# KiCad board SparkFun_RTK_Facet_mosaic_panelized.kicad_pcb (continued)
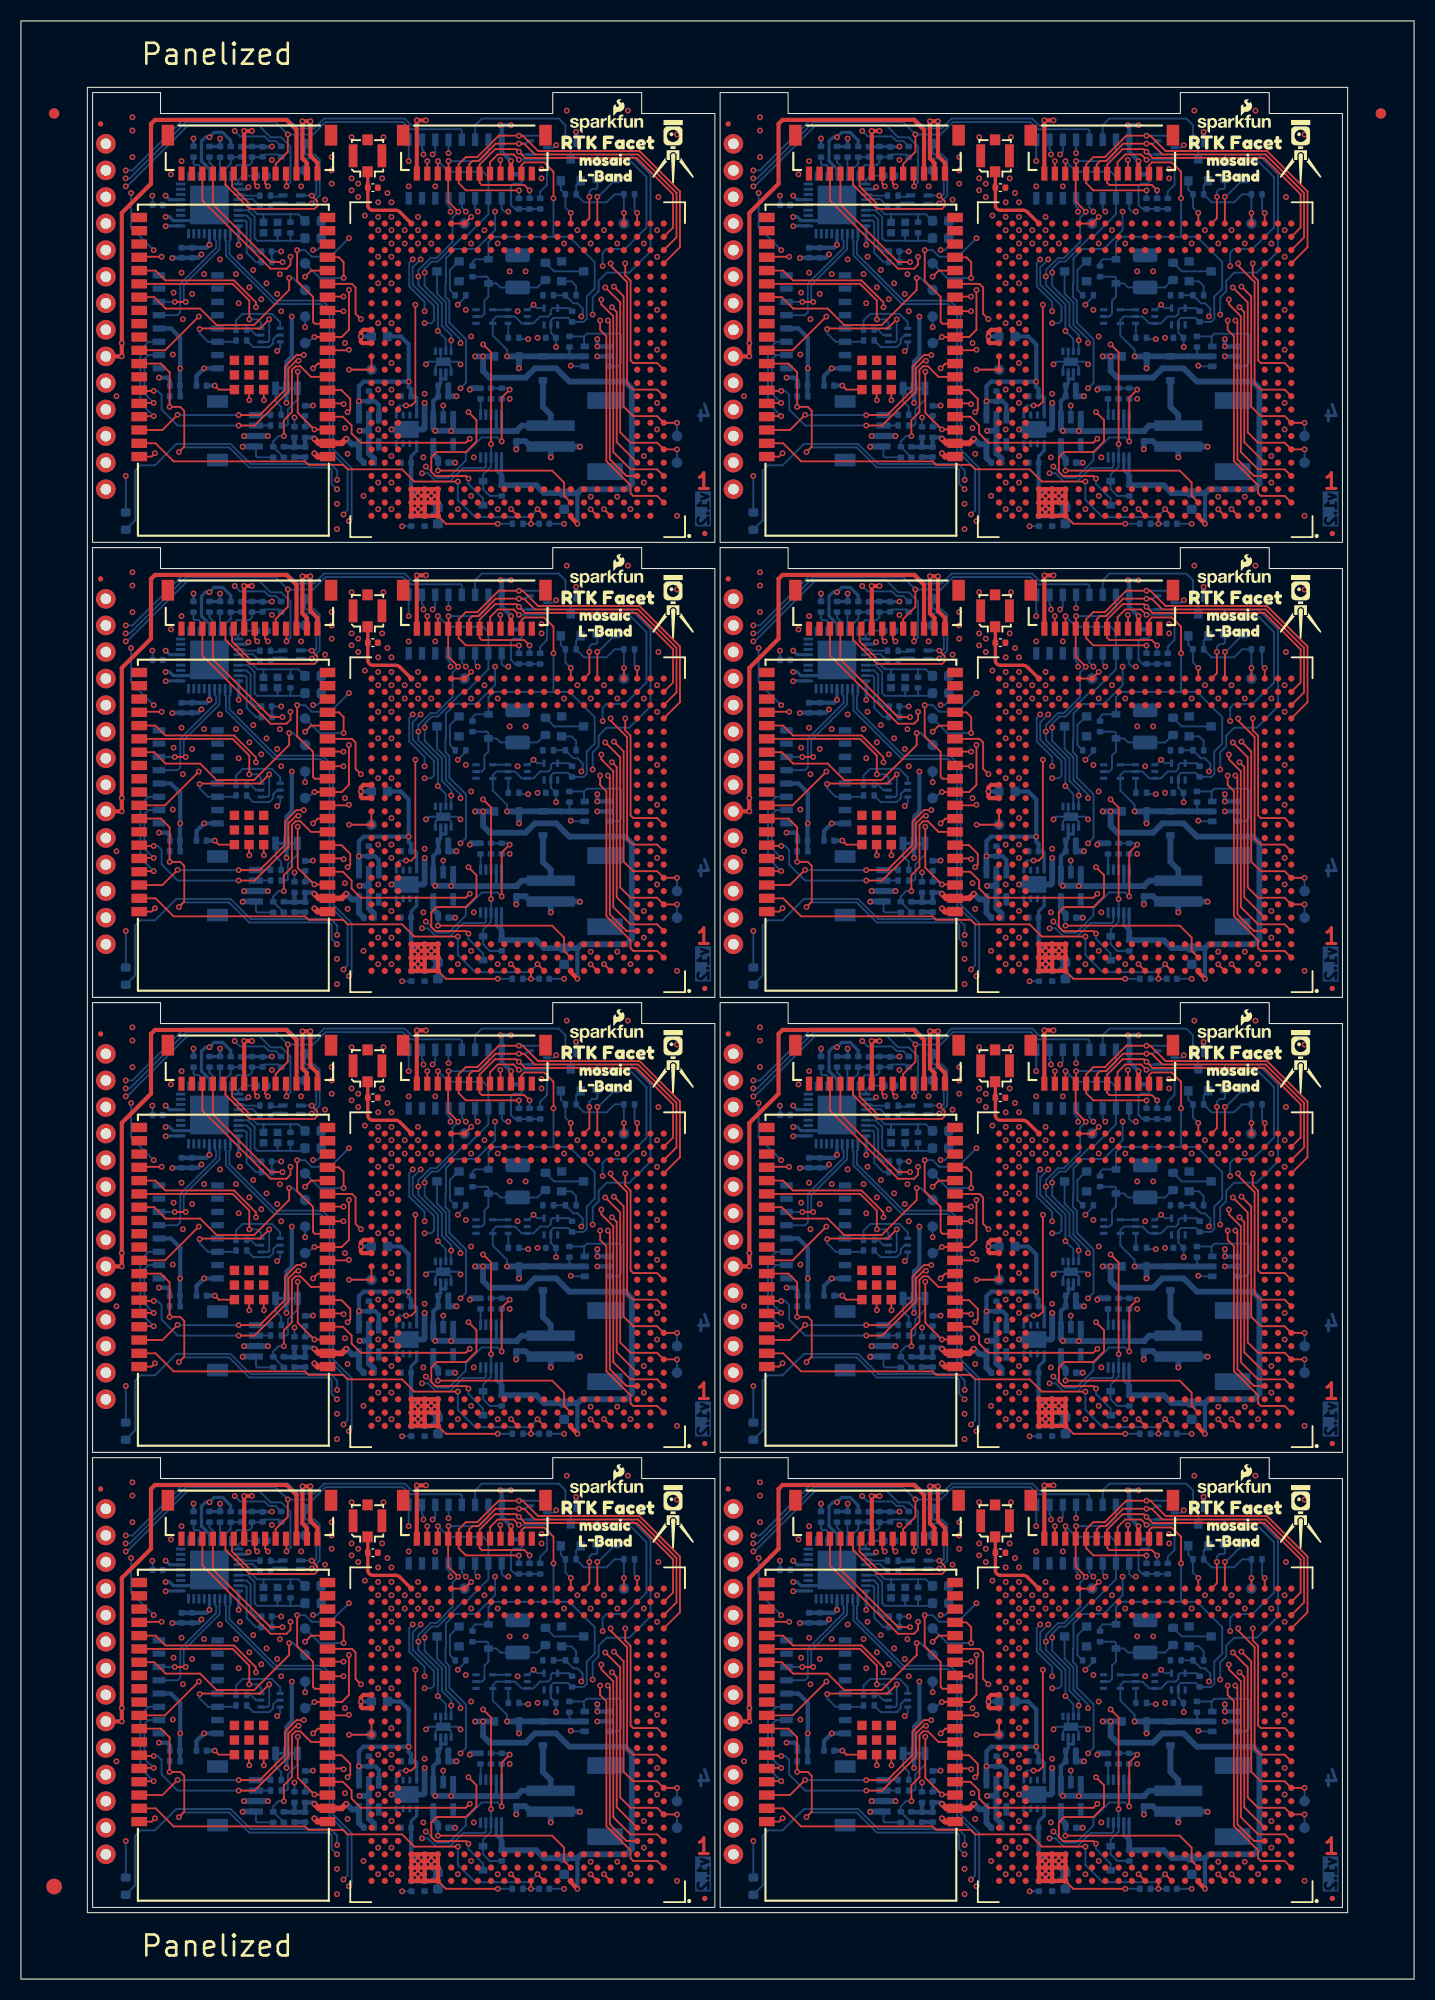
[diagram p0: board, top side]
## Nets (continued)
Pads without a net: J1 NC; J1#2 NC; J1#3 NC; J1#4 NC; J1#5 NC; J1#6 NC; J1#7 NC; J1#8 NC; J2 NC1 NC2; J2#2 NC1 NC2; J2#3 NC1 NC2; J2#4 NC1 NC2; J2#5 NC1 NC2; J2#6 NC1 NC2; J2#7 NC1 NC2; J2#8 NC1 NC2; J3 NC1 NC2; J3#2 NC1 NC2; J3#3 NC1 NC2; J3#4 NC1 NC2; J3#5 NC1 NC2; J3#6 NC1 NC2; J3#7 NC1 NC2; J3#8 NC1 NC2; J4 NC1 NC2; J4#2 NC1 NC2; J4#3 NC1 NC2; J4#4 NC1 NC2; J4#5 NC1 NC2; J4#6 NC1 NC2; J4#7 NC1 NC2; J4#8 NC1 NC2; J5 NC1 NC2; J5#2 NC1 NC2; J5#3 NC1 NC2; J5#4 NC1 NC2; J5#5 NC1 NC2; J5#6 NC1 NC2; J5#7 NC1 NC2; J5#8 NC1 NC2; U1 17 18 19 20 21 22 27 28 29 32; U1#2 17 18 19 20 21 22 27 28 29 32; U1#3 17 18 19 20 21 22 27 28 29 32; U1#4 17 18 19 20 21 22 27 28 29 32; U1#5 17 18 19 20 21 22 27 28 29 32; U1#6 17 18 19 20 21 22 27 28 29 32; U1#7 17 18 19 20 21 22 27 28 29 32; U1#8 17 18 19 20 21 22 27 28 29 32; U2 A2 A9 A13 A14 AA2 AA3 AA4 AA5 AA6 AA7 AA8 AA9 AA10 AA11 AA12 AB9 AB10 AB11 AB12 AC1 AC2 AC5 AC9 AC10 AC11 AC12 AC14 B2 B3 B9 B10 B11 B12 B14 B15 B16 B22 B23 C1 C2 C3 C5 C6 C8 C9 C10 C11 C12 C13 C14 C21 C22 E1 F2 F3 G1 G3 G22 H2 H3 J1 J2 J3 K3 L1 L2 L3 M2 M3 N1 N2 N3 R1 R2 T1 T2 T3 U1 U3 V1 V2 V3 W1 W2 W3 Y3; U2#2 A2 A9 A13 A14 AA2 AA3 AA4 AA5 AA6 AA7 AA8 AA9 AA10 AA11 AA12 AB9 AB10 AB11 AB12 AC1 AC2 AC5 AC9 AC10 AC11 AC12 AC14 B2 B3 B9 B10 B11 B12 B14 B15 B16 B22 B23 C1 C2 C3 C5 C6 C8 C9 C10 C11 C12 C13 C14 C21 C22 E1 F2 F3 G1 G3 G22 H2 H3 J1 J2 J3 K3 L1 L2 L3 M2 M3 N1 N2 N3 R1 R2 T1 T2 T3 U1 U3 V1 V2 V3 W1 W2 W3 Y3; U2#3 A2 A9 A13 A14 AA2 AA3 AA4 AA5 AA6 AA7 AA8 AA9 AA10 AA11 AA12 AB9 AB10 AB11 AB12 AC1 AC2 AC5 AC9 AC10 AC11 AC12 AC14 B2 B3 B9 B10 B11 B12 B14 B15 B16 B22 B23 C1 C2 C3 C5 C6 C8 C9 C10 C11 C12 C13 C14 C21 C22 E1 F2 F3 G1 G3 G22 H2 H3 J1 J2 J3 K3 L1 L2 L3 M2 M3 N1 N2 N3 R1 R2 T1 T2 T3 U1 U3 V1 V2 V3 W1 W2 W3 Y3; U2#4 A2 A9 A13 A14 AA2 AA3 AA4 AA5 AA6 AA7 AA8 AA9 AA10 AA11 AA12 AB9 AB10 AB11 AB12 AC1 AC2 AC5 AC9 AC10 AC11 AC12 AC14 B2 B3 B9 B10 B11 B12 B14 B15 B16 B22 B23 C1 C2 C3 C5 C6 C8 C9 C10 C11 C12 C13 C14 C21 C22 E1 F2 F3 G1 G3 G22 H2 H3 J1 J2 J3 K3 L1 L2 L3 M2 M3 N1 N2 N3 R1 R2 T1 T2 T3 U1 U3 V1 V2 V3 W1 W2 W3 Y3; U2#5 A2 A9 A13 A14 AA2 AA3 AA4 AA5 AA6 AA7 AA8 AA9 AA10 AA11 AA12 AB9 AB10 AB11 AB12 AC1 AC2 AC5 AC9 AC10 AC11 AC12 AC14 B2 B3 B9 B10 B11 B12 B14 B15 B16 B22 B23 C1 C2 C3 C5 C6 C8 C9 C10 C11 C12 C13 C14 C21 C22 E1 F2 F3 G1 G3 G22 H2 H3 J1 J2 J3 K3 L1 L2 L3 M2 M3 N1 N2 N3 R1 R2 T1 T2 T3 U1 U3 V1 V2 V3 W1 W2 W3 Y3; U2#6 A2 A9 A13 A14 AA2 AA3 AA4 AA5 AA6 AA7 AA8 AA9 AA10 AA11 AA12 AB9 AB10 AB11 AB12 AC1 AC2 AC5 AC9 AC10 AC11 AC12 AC14 B2 B3 B9 B10 B11 B12 B14 B15 B16 B22 B23 C1 C2 C3 C5 C6 C8 C9 C10 C11 C12 C13 C14 C21 C22 E1 F2 F3 G1 G3 G22 H2 H3 J1 J2 J3 K3 L1 L2 L3 M2 M3 N1 N2 N3 R1 R2 T1 T2 T3 U1 U3 V1 V2 V3 W1 W2 W3 Y3; U2#7 A2 A9 A13 A14 AA2 AA3 AA4 AA5 AA6 AA7 AA8 AA9 AA10 AA11 AA12 AB9 AB10 AB11 AB12 AC1 AC2 AC5 AC9 AC10 AC11 AC12 AC14 B2 B3 B9 B10 B11 B12 B14 B15 B16 B22 B23 C1 C2 C3 C5 C6 C8 C9 C10 C11 C12 C13 C14 C21 C22 E1 F2 F3 G1 G3 G22 H2 H3 J1 J2 J3 K3 L1 L2 L3 M2 M3 N1 N2 N3 R1 R2 T1 T2 T3 U1 U3 V1 V2 V3 W1 W2 W3 Y3; U2#8 A2 A9 A13 A14 AA2 AA3 AA4 AA5 AA6 AA7 AA8 AA9 AA10 AA11 AA12 AB9 AB10 AB11 AB12 AC1 AC2 AC5 AC9 AC10 AC11 AC12 AC14 B2 B3 B9 B10 B11 B12 B14 B15 B16 B22 B23 C1 C2 C3 C5 C6 C8 C9 C10 C11 C12 C13 C14 C21 C22 E1 F2 F3 G1 G3 G22 H2 H3 J1 J2 J3 K3 L1 L2 L3 M2 M3 N1 N2 N3 R1 R2 T1 T2 T3 U1 U3 V1 V2 V3 W1 W2 W3 Y3; U3 7 8 9 10 11 12 15; U3#2 7 8 9 10 11 12 15; U3#3 7 8 9 10 11 12 15; U3#4 7 8 9 10 11 12 15; U3#5 7 8 9 10 11 12 15; U3#6 7 8 9 10 11 12 15; U3#7 7 8 9 10 11 12 15; U3#8 7 8 9 10 11 12 15; U4 5; U4#2 5; U4#3 5; U4#4 5; U4#5 5; U4#6 5; U4#7 5; U4#8 5; U6 1; U6#2 1; U6#3 1; U6#4 1; U6#5 1; U6#6 1; U6#7 1; U6#8 1; U7 2 3 6 7; U7#2 2 3 6 7; U7#3 2 3 6 7; U7#4 2 3 6 7; U7#5 2 3 6 7; U7#6 2 3 6 7; U7#7 2 3 6 7; U7#8 2 3 6 7; U8 1; U8#2 1; U8#3 1; U8#4 1; U8#5 1; U8#6 1; U8#7 1; U8#8 1; U9 6 7 8 9 12 13 16 17 18 19 20 21; U9#2 6 7 8 9 12 13 16 17 18 19 20 21; U9#3 6 7 8 9 12 13 16 17 18 19 20 21; U9#4 6 7 8 9 12 13 16 17 18 19 20 21; U9#5 6 7 8 9 12 13 16 17 18 19 20 21; U9#6 6 7 8 9 12 13 16 17 18 19 20 21; U9#7 6 7 8 9 12 13 16 17 18 19 20 21; U9#8 6 7 8 9 12 13 16 17 18 19 20 21; U10 7; U10#2 7; U10#3 7; U10#4 7; U10#5 7; U10#6 7; U10#7 7; U10#8 7; U11 4; U11#2 4; U11#3 4; U11#4 4; U11#5 4; U11#6 4; U11#7 4; U11#8 4; U12 4; U12#2 4; U12#3 4; U12#4 4; U12#5 4; U12#6 4; U12#7 4; U12#8 4; Y1 NC; Y1#2 NC; Y1#3 NC; Y1#4 NC; Y1#5 NC; Y1#6 NC; Y1#7 NC; Y1#8 NC

## Via types
v1: diameter 0.56, hole 0.3, Top to Bottom, 2568 vias

## Routing (per net, layer and track width the routed paths; a pad name or vN(x,y) marks a point on that pad's centre or on a via; arc(x,y) is an arc through that point)
1.8V: length 83.8
  Top w0.178: U2#8.AC4 v1(57.65,125.35) ; U2#3.AC4 v1(117.65,38.35) ; U2#5.AC4 v1(57.65,81.85) ; U2#7.AC4 v1(57.65,168.85) ; U2#6.AC4 v1(117.65,125.35) ; U2#4.AC4 v1(57.65,38.35) ; U2#2.AC4 v1(117.65,81.85) ; U2.AC4 v1(117.65,168.85)
  Bottom w0.178: Q3#7.1 53.08,84.47 R12#6.1 53.84,82.86 56,82.86 56.76,83.62 R5.2 57.65,81.85 v1(57.65,81.85) U2#5.AC4 ; Q3#6.1 113.08,171.47 R12#3.1 113.84,169.86 116,169.86 116.76,170.62 R5#7.2 117.65,168.85 v1(117.65,168.85) U2.AC4 ; U2#3.AC4 v1(117.65,38.35) 117.65,38.35 R5#4.2 116.76,40.12 116,39.36 113.84,39.36 R12#5.1 113.08,40.97 Q3#2.1 ; Q3#5.1 53.08,171.47 R12#4.1 53.84,169.86 56,169.86 56.76,170.62 R5#6.2 57.65,168.85 v1(57.65,168.85) U2#7.AC4 ; U2#2.AC4 v1(117.65,81.85) 117.65,81.85 R5#3.2 116.76,83.62 116,82.86 113.84,82.86 R12#7.1 113.08,84.47 Q3#3.1 ; Q3#4.1 53.08,40.97 R12#2.1 53.84,39.36 56,39.36 56.76,40.12 R5#5.2 57.65,38.35 v1(57.65,38.35) U2#4.AC4 ; U2#8.AC4 v1(57.65,125.35) 57.65,125.35 R5#8.2 56.76,127.12 56,126.36 53.84,126.36 R12#8.1 53.08,127.97 Q3.1 ; Q3#8.1 113.08,127.97 R12.1 113.84,126.36 116,126.36 116.76,127.12 R5#2.2 117.65,125.35 v1(117.65,125.35) U2#6.AC4
3.3V: length 886
  Top w0.559: v1(88.06,147.26) 88.49,146.82 U1#8.2 90.67,146.82 v1(91.11,147.26) ; v1(88.06,16.76) 88.49,16.32 U1#5.2 90.67,16.32 v1(91.11,16.76) ; v1(28.06,60.26) 28.49,59.82 U1#3.2 30.67,59.82 v1(31.11,60.26) ; v1(31.11,16.76) 30.67,16.32 U1#7.2 28.49,16.32 v1(28.06,16.76) ; v1(88.06,103.76) 88.49,103.32 U1#6.2 90.67,103.32 v1(91.11,103.76) ; v1(28.06,103.76) 28.49,103.32 U1.2 30.67,103.32 v1(31.11,103.76) ; v1(28.06,147.26) 28.49,146.82 U1#4.2 30.67,146.82 v1(31.11,147.26) ; v1(88.06,60.26) 88.49,59.82 U1#2.2 90.67,59.82 v1(91.11,60.26)
  In2.Cu w0.406: 78.03,40.76 v1(78.03,45.58) ; 78.03,40.76 78.03,39.62 ; 78.03,40.76 78.08,40.81 v1(81.76,40.81) 81.71,40.76 ; 81.71,171.26 v1(81.76,171.31) 78.08,171.31 78.03,171.26 ; 18.03,170.12 18.03,170.5 v1(13.83,170.5) ; 18.03,170.12 18.03,167.58 ; 18.03,170.12 18.03,171.26 ; 78.03,84.26 78.08,84.31 v1(81.76,84.31) 81.71,84.26 ; 78.03,84.26 78.03,83.12 ; 78.03,84.26 v1(78.03,89.08) ; v1(13.83,127) 18.03,127 18.03,126.62 ; 78.03,170.12 78.03,171.26 ; 78.03,170.12 78.03,170.5 v1(73.84,170.5) ; 78.03,170.12 78.03,167.58 ; 78.03,171.26 v1(78.03,176.09) ; TP1#7.1 69.52,110.49 v1(75.23,110.49) v1(77.52,110.49) 82.09,110.49 v1(85.39,107.19) 85.39,105.53 87.17,103.76 v1(88.06,103.76) ; 78.03,39.62 78.03,40 v1(73.84,40) ; 78.03,39.62 78.03,37.08 ; 78.03,37.08 v1(73.84,37.08) ; 78.03,37.08 v1(78.03,35.3) v1(80.82,35.3) 85.9,30.22 v1(85.9,28.44) ; TP1.1 69.52,23.49 v1(75.23,23.49) v1(77.52,23.49) 82.09,23.49 v1(85.39,20.19) 85.39,18.53 87.17,16.76 v1(88.06,16.76) ; 18.03,84.26 18.08,84.31 v1(21.76,84.31) 21.71,84.26 ; 18.03,84.26 v1(18.03,89.08) ; 18.03,84.26 18.03,83.12 ; 18.03,37.08 v1(13.83,37.08) ; 18.03,37.08 18.03,39.62 ; 18.03,37.08 v1(18.03,35.3) v1(20.82,35.3) 25.9,30.22 v1(25.9,28.44) ; 18.03,40.76 v1(18.03,45.58) ; 18.03,40.76 18.03,39.62 ; 18.03,40.76 18.08,40.81 v1(21.76,40.81) 21.71,40.76 ; 18.03,80.58 18.03,83.12 ; 18.03,80.58 v1(18.03,78.8) v1(20.82,78.8) 25.9,73.72 v1(25.9,71.94) ; 18.03,80.58 v1(13.83,80.58) ; 18.03,83.12 18.03,83.5 v1(13.83,83.5) ; 18.03,127.76 18.08,127.81 v1(21.76,127.81) 21.71,127.76 ; 18.03,127.76 v1(18.03,132.59) ; 18.03,127.76 18.03,126.62 ; TP1#3.1 9.52,23.49 v1(15.23,23.49) v1(17.52,23.49) 22.09,23.49 v1(25.39,20.19) 25.39,18.53 27.17,16.76 v1(28.06,16.76) ; 78.03,126.62 78.03,127.76 ; 78.03,126.62 78.03,124.08 ; 78.03,126.62 78.03,127 v1(73.84,127) ; 78.03,127.76 78.08,127.81 v1(81.76,127.81) 81.71,127.76 ; 78.03,127.76 v1(78.03,132.59) ; 18.03,126.62 18.03,124.08 ; v1(25.9,115.44) 25.9,117.22 v1(20.82,122.3) v1(18.03,122.3) 18.03,124.08 ; v1(25.9,158.94) 25.9,160.72 v1(20.82,165.8) v1(18.03,165.8) 18.03,167.58 ; v1(85.9,71.94) 85.9,73.72 v1(80.82,78.8) v1(78.03,78.8) 78.03,80.58 ; TP1#5.1 69.52,66.99 v1(75.23,66.99) v1(77.52,66.99) 82.09,66.99 v1(85.39,63.69) 85.39,62.03 87.17,60.26 v1(88.06,60.26) ; v1(13.83,40) 18.03,40 18.03,39.62 ; 18.03,124.08 v1(13.83,124.08) ; 78.03,124.08 v1(73.84,124.08) ; 78.03,124.08 v1(78.03,122.3) v1(80.82,122.3) 85.9,117.22 v1(85.9,115.44) ; v1(28.06,147.26) 27.17,147.26 25.39,149.03 v1(25.39,150.69) 22.09,153.99 v1(17.52,153.99) v1(15.23,153.99) 9.52,153.99 TP1#4.1 ; v1(28.06,103.76) 27.17,103.76 25.39,105.53 v1(25.39,107.19) 22.09,110.49 v1(17.52,110.49) v1(15.23,110.49) 9.52,110.49 TP1#8.1 ; v1(85.9,158.94) 85.9,160.72 v1(80.82,165.8) v1(78.03,165.8) 78.03,167.58 ; 78.03,80.58 v1(73.84,80.58) ; 78.03,80.58 78.03,83.12 ; 21.71,171.26 v1(21.76,171.31) 18.08,171.31 18.03,171.26 ; v1(28.06,60.26) 27.17,60.26 25.39,62.03 v1(25.39,63.69) 22.09,66.99 v1(17.52,66.99) v1(15.23,66.99) 9.52,66.99 TP1#6.1 ; 78.03,83.12 78.03,83.5 v1(73.84,83.5) ; 18.03,167.58 v1(13.83,167.58) ; 78.03,167.58 v1(73.84,167.58) ; TP1#2.1 69.52,153.99 v1(75.23,153.99) v1(77.52,153.99) 82.09,153.99 v1(85.39,150.69) 85.39,149.03 87.17,147.26 v1(88.06,147.26) ; 18.03,171.26 v1(18.03,176.09)
  In2.Cu w0.559: v1(31.11,103.76) v1(28.06,103.76) ; v1(91.11,60.26) v1(88.06,60.26) ; v1(91.11,103.76) v1(88.06,103.76) ; v1(31.11,60.26) v1(28.06,60.26) ; v1(31.11,147.26) v1(28.06,147.26) ; v1(91.11,16.76) v1(88.06,16.76) ; v1(31.11,16.76) v1(28.06,16.76) ; v1(91.11,147.26) v1(88.06,147.26)
  Bottom w0.305: v1(73.84,40) 74.22,39.61 U9#2.15 ; U9#5.10 73.87,80.61 v1(73.84,80.58) ; R21#4.1 80.06,175.77 79.28,176.54 78.48,176.54 v1(78.03,176.09) 77.65,176.09 77.26,175.7 77.26,173.8 78.03,173.04 U9#8.23 ; v1(80.82,122.3) 80.82,124.06 U9#6.36 ; v1(81.76,84.31) 81.56,84.11 U9#5.29 ; U9#3.10 13.87,80.61 v1(13.83,80.58) ; U9#6.29 81.56,127.61 v1(81.76,127.81) ; v1(13.83,37.08) 13.87,37.11 U9#7.10 ; v1(73.84,167.58) 73.87,167.61 U9#8.10 ; U9#3.36 20.82,80.56 v1(20.82,78.8) ; U9.5 v1(18.03,165.8) ; U9#6.15 74.22,126.61 v1(73.84,127) ; U9#3.29 21.56,84.11 v1(21.76,84.31) ; v1(73.84,170.5) 74.22,170.11 U9#8.15 ; v1(13.83,40) 14.22,39.61 U9#7.15 ; U9#6.5 v1(78.03,122.3) ; v1(13.83,127) 14.22,126.61 U9#4.15 ; v1(80.82,78.8) 80.82,80.56 U9#5.36 ; v1(13.83,83.5) 14.22,83.11 U9#3.15 ; U9.29 21.56,171.11 v1(21.76,171.31) ; R21#7.1 20.06,45.27 19.28,46.04 18.48,46.04 v1(18.03,45.58) 17.64,45.58 17.26,45.2 17.26,43.3 18.03,42.54 U9#7.23 ; U9#6.10 73.87,124.11 v1(73.84,124.08) ; U9#7.36 20.82,37.06 v1(20.82,35.3) ; v1(73.84,37.08) 73.87,37.11 U9#2.10 ; U9#6.23 78.03,129.54 77.26,130.3 77.26,132.2 77.65,132.59 v1(78.03,132.59) 78.48,133.04 79.28,133.04 80.06,132.27 R21.1 ; U9.23 18.03,173.04 17.26,173.8 17.26,175.7 17.64,176.09 v1(18.03,176.09) 18.48,176.54 19.28,176.54 20.06,175.77 R21#5.1 ; U9.36 20.82,167.56 v1(20.82,165.8) ; v1(13.83,170.5) 14.22,170.11 U9.15 ; R21#2.1 80.06,45.27 79.28,46.04 78.48,46.04 v1(78.03,45.58) 77.65,45.58 77.26,45.2 77.26,43.3 78.03,42.54 U9#2.23 ; U9#2.5 v1(78.03,35.3) ; U9#3.5 v1(18.03,78.8) ; v1(21.76,40.81) 21.56,40.61 U9#7.29 ; U9#4.29 21.56,127.61 v1(21.76,127.81) ; R21#8.1 20.06,132.27 19.28,133.04 18.48,133.04 v1(18.03,132.59) 17.64,132.59 17.26,132.2 17.26,130.3 18.03,129.54 U9#4.23 ; v1(13.83,124.08) 13.87,124.11 U9#4.10 ; v1(73.84,83.5) 74.22,83.11 U9#5.15 ; U9#8.5 v1(78.03,165.8) ; R21#6.1 20.06,88.77 19.28,89.54 18.48,89.54 v1(18.03,89.08) 17.64,89.08 17.26,88.7 17.26,86.8 18.03,86.04 U9#3.23 ; v1(80.82,35.3) 80.82,37.06 U9#2.36 ; v1(13.83,167.58) 13.87,167.61 U9.10 ; U9#8.36 80.82,167.56 v1(80.82,165.8) ; v1(81.76,40.81) 81.56,40.61 U9#2.29 ; R21#3.1 80.06,88.77 79.28,89.54 78.48,89.54 v1(78.03,89.08) 77.65,89.08 77.26,88.7 77.26,86.8 78.03,86.04 U9#5.23 ; U9#4.5 v1(18.03,122.3) ; U9#8.29 81.56,171.11 v1(81.76,171.31) ; U9#4.36 20.82,124.06 v1(20.82,122.3) ; U9#5.5 v1(78.03,78.8) ; U9#7.5 v1(18.03,35.3)
  Bottom w0.406: U3#2.4 14.34,27.3 15.23,26.41 v1(15.23,23.49) 15.2,23.46 C4#3.1 15.2,20.85 R10#5.1 ; v1(25.9,158.94) 25.9,155.13 25.39,154.62 JP1#8.2 v1(25.39,150.69) ; v1(85.9,71.94) 85.9,68.13 85.39,67.62 JP1#7.2 v1(85.39,63.69) ; C5.1 16.78,153.25 v1(17.52,153.99) U3#5.16 ; U3#6.16 v1(17.52,110.49) 16.78,109.75 C5#6.1 ; U3#4.4 74.34,70.8 75.23,69.91 v1(75.23,66.99) 75.2,66.96 C4#7.1 75.2,64.35 R10#4.1 ; v1(18.03,35.3) 17.74,35.02 C30#3.1 C9#7.1 ; R7#4.1 25.17,15.97 C1.1 ; C1#6.1 C2#7.1 R1#2.1 87.93,147.38 v1(88.06,147.26) ; C1#6.1 R43.1 ; C1#6.1 85.17,146.47 R7.1 ; C1#3.1 C2#8.1 R1#4.1 87.93,103.88 v1(88.06,103.76) ; C1#3.1 85.17,102.97 R7#3.1 ; C1#3.1 R43#3.1 ; C9#4.1 C30#5.1 77.74,165.52 v1(78.03,165.8) ; U3#2.16 v1(17.52,23.49) 16.78,22.75 C5#8.1 ; v1(25.39,63.69) JP1#5.2 25.39,67.62 25.9,68.13 v1(25.9,71.94) ; C1#5.1 25.17,59.47 R7#5.1 ; C1#5.1 C2#3.1 R1#5.1 27.93,60.38 v1(28.06,60.26) ; C1#5.1 R43#5.1 ; U3#8.4 74.34,157.8 75.23,156.91 v1(75.23,153.99) 75.2,153.96 C4#5.1 75.2,151.35 R10.1 ; v1(85.9,115.44) 85.9,111.63 85.39,111.12 JP1#6.2 v1(85.39,107.19) ; v1(18.03,122.3) 17.74,122.02 C30#7.1 C9#6.1 ; v1(18.03,165.8) 17.74,165.52 C30#4.1 C9#8.1 ; C9#2.1 C30#8.1 17.74,78.52 v1(18.03,78.8) ; C1#2.1 85.17,59.47 R7#7.1 ; C1#2.1 R43#2.1 ; C1#2.1 C2#5.1 R1#8.1 87.93,60.38 v1(88.06,60.26) ; v1(78.03,35.3) 77.74,35.02 C30.1 C9#5.1 ; v1(25.39,107.19) JP1#4.2 25.39,111.12 25.9,111.63 v1(25.9,115.44) ; R10#8.1 15.2,151.35 C4.1 15.2,153.96 v1(15.23,153.99) 15.23,156.91 14.34,157.8 U3#5.4 ; v1(25.39,20.19) JP1#2.2 25.39,24.12 25.9,24.63 v1(25.9,28.44) ; R10#2.1 75.2,20.85 C4#8.1 75.2,23.46 v1(75.23,23.49) 75.23,26.41 74.34,27.3 U3.4 ; v1(85.9,28.44) 85.9,24.63 85.39,24.12 JP1.2 v1(85.39,20.19) ; C1#4.1 C2#6.1 R1#6.1 27.93,103.88 v1(28.06,103.76) ; C1#4.1 25.17,102.97 R7#2.1 ; C1#4.1 R43#8.1 ; v1(28.06,147.26) 27.93,147.38 R1#3.1 C2#4.1 C1#8.1 ; C1#7.1 R43#7.1 ; C1#7.1 C2#2.1 R1.1 87.93,16.88 v1(88.06,16.76) ; C1#7.1 85.17,15.97 R7#8.1 ; R10#6.1 15.2,107.85 C4#2.1 15.2,110.46 v1(15.23,110.49) 15.23,113.41 14.34,114.3 U3#6.4 ; U3#7.16 v1(17.52,66.99) 16.78,66.25 C5#7.1 ; U3#7.4 14.34,70.8 15.23,69.91 v1(15.23,66.99) 15.2,66.96 C4#6.1 15.2,64.35 R10#3.1 ; U3#8.16 v1(77.52,153.99) 76.78,153.25 C5#3.1 ; U3#3.4 74.34,114.3 75.23,113.41 v1(75.23,110.49) 75.2,110.46 C4#4.1 75.2,107.85 R10#7.1 ; C9.1 C30#2.1 77.74,122.02 v1(78.03,122.3) ; C1.1 R43#4.1 ; C1.1 C2.1 R1#7.1 27.93,16.88 v1(28.06,16.76) ; C5#5.1 76.78,22.75 v1(77.52,23.49) U3.16 ; R7#6.1 25.17,146.47 C1#8.1 ; C1#8.1 R43#6.1 ; C5#4.1 76.78,109.75 v1(77.52,110.49) U3#3.16 ; v1(85.9,158.94) 85.9,155.13 85.39,154.62 JP1#3.2 v1(85.39,150.69) ; v1(78.03,78.8) 77.74,78.52 C30#6.1 C9#3.1 ; C5#2.1 76.78,66.25 v1(77.52,66.99) U3#4.16
  Bottom w0.559: v1(91.11,103.76) 91.65,103.22 U11#4.5 92.32,101.94 C23#6.1 ; v1(31.11,16.76) 31.65,16.22 U11.5 32.32,14.94 C23.1 ; v1(31.11,60.26) 31.65,59.72 U11#7.5 32.32,58.44 C23#5.1 ; v1(31.11,147.26) 31.65,146.72 U11#6.5 32.32,145.44 C23#8.1 ; C23#3.1 92.32,145.44 U11#8.5 91.65,146.72 v1(91.11,147.26) ; v1(31.11,103.76) 31.65,103.22 U11#3.5 32.32,101.94 C23#4.1 ; v1(91.11,16.76) 91.65,16.22 U11#2.5 92.32,14.94 C23#2.1 ; C23#7.1 92.32,58.44 U11#5.5 91.65,59.72 v1(91.11,60.26)
3.3V_P: length 1630.6
  Top w0.178: U2#6.A18 100.63,95.63 v1(105.59,95.63) ; U2#8.A18 40.63,95.63 v1(45.59,95.63) ; U2#5.A18 40.63,52.13 v1(45.59,52.13) ; v1(45.59,139.13) 40.63,139.13 U2#7.A18 ; v1(45.59,8.63) 40.63,8.63 U2#4.A18 ; U2#2.A18 100.63,52.13 v1(105.59,52.13) ; v1(105.59,139.13) 100.63,139.13 U2.A18 ; U2#3.A18 100.63,8.63 v1(105.59,8.63)
  Top w0.406: U2#4.B18 U2#4.A18 U2#4.A19 ; U2#4.B18 39.87,11.29 ; U2#4.B18 39.24,10.66 ; U2#5.B20 37.33,54.8 ; U2#5.B20 37.33,53.53 ; U2#5.B20 37.97,54.16 ; 37.33,54.8 U2#5.C20 37.97,55.43 ; 37.33,54.8 v1(37.97,54.8) ; 97.97,98.93 U2#6.C19 ; 97.97,98.93 v1(97.97,98.3) ; 97.97,98.93 U2#6.C20 97.33,98.3 ; U2#6.C19 98.6,98.3 ; U2#6.C19 99.24,98.93 ; 97.97,97.66 v1(97.97,97.03) ; 97.97,97.66 v1(97.97,98.3) ; 97.97,97.66 U2#6.B19 ; 97.97,97.66 U2#6.B20 ; v1(97.97,97.03) 97.33,97.03 ; v1(97.97,97.03) 98.6,97.03 ; v1(97.97,97.03) 97.97,96.39 ; 37.33,98.3 U2#8.C20 37.97,98.93 ; 37.33,98.3 U2#8.B20 ; 37.33,98.3 v1(37.97,98.3) ; U2#8.C19 39.24,98.93 ; U2#8.C19 38.6,98.3 ; U2#8.C19 37.97,98.93 ; 39.24,98.93 U2#8.C18 39.87,98.3 ; 39.24,98.93 v1(39.24,98.3) ; 99.87,11.29 U2#3.C18 99.24,11.93 ; 99.87,11.29 v1(99.24,11.29) ; 99.87,11.29 U2#3.B18 ; 39.24,97.66 U2#8.B19 ; 39.24,97.66 U2#8.B18 ; 39.24,97.66 v1(39.24,98.3) ; U2#8.B19 37.97,97.66 ; U2#8.B19 38.6,97.03 ; U2#8.B19 38.6,98.3 ; U2#8.B20 37.97,97.66 ; U2#8.B20 37.33,97.03 ; U2#7.A19 U2#7.A18 U2#7.B18 ; U2#7.A19 38.6,140.53 ; U2#7.A19 U2#7.A20 37.33,140.53 ; 98.6,54.8 U2#2.B19 ; 98.6,54.8 v1(97.97,54.8) ; 98.6,54.8 v1(99.24,54.8) ; 98.6,54.8 U2#2.C19 ; U2#2.B19 99.24,54.16 ; U2#2.B19 98.6,53.53 ; U2#2.B19 97.97,54.16 ; U2#7.B19 38.6,140.53 ; U2#7.B19 38.6,141.8 ; U2#7.B19 39.24,141.16 ; U2#7.B19 37.97,141.16 ; 38.6,140.53 v1(37.97,140.53) ; 37.97,141.16 v1(37.97,140.53) ; 37.97,141.16 U2#7.B20 ; 37.97,141.16 v1(37.97,141.8) ; v1(37.97,140.53) 37.97,139.89 ; v1(37.97,140.53) 37.33,140.53 ; v1(97.97,54.8) 97.33,54.8 ; v1(97.97,54.8) 97.97,55.43 ; v1(97.97,54.8) 97.97,54.16 ; 97.33,54.8 U2#2.C20 97.97,55.43 ; 97.33,54.8 U2#2.B20 ; v1(37.97,98.3) 38.6,98.3 ; v1(37.97,98.3) 37.97,98.93 ; v1(37.97,98.3) 37.97,97.66 ; 38.6,98.3 v1(39.24,98.3) ; 39.87,11.29 U2#4.C18 39.24,11.93 ; 39.87,11.29 v1(39.24,11.29) ; 97.97,9.39 v1(97.97,10.03) ; v1(97.97,10.03) 97.33,10.03 ; v1(97.97,10.03) 98.6,10.03 ; v1(97.97,10.03) 97.97,10.66 ; U2#3.B18 99.24,10.66 ; U2#3.B18 U2#3.A18 U2#3.A19 ; 99.24,10.66 U2#3.B19 ; 99.24,10.66 v1(99.24,11.29) ; 97.97,10.66 U2#3.B19 ; 97.97,10.66 U2#3.B20 ; 97.97,10.66 v1(97.97,11.29) ; U2#3.B19 98.6,10.03 ; U2#3.B19 98.6,11.29 ; v1(37.97,53.53) 37.33,53.53 ; v1(37.97,53.53) 37.97,54.16 ; v1(37.97,53.53) 38.6,53.53 ; v1(37.97,53.53) 37.97,52.89 ; 37.33,53.53 U2#5.A20 U2#5.A19 ; U2#7.B20 37.33,141.8 ; U2#7.B20 37.33,140.53 ; 37.33,141.8 v1(37.97,141.8) ; 37.33,141.8 U2#7.C20 37.97,142.43 ; U2#2.C19 99.24,55.43 ; U2#2.C19 97.97,55.43 ; 99.24,55.43 U2#2.C18 99.87,54.8 ; 99.24,55.43 v1(99.24,54.8) ; 97.97,141.16 v1(97.97,141.8) ; 97.97,141.16 U2.B19 ; 97.97,141.16 v1(97.97,140.53) ; 97.97,141.16 U2.B20 ; v1(97.97,141.8) 97.33,141.8 ; v1(97.97,141.8) 97.97,142.43 ; v1(97.97,141.8) 98.6,141.8 ; J5#3.8 21.35,133.16 v1(21.33,133.18) v1(22.09,133.18) 22.05,133.22 ; v1(106.85,43.3) 106.85,43.29 J4#7.3 ; 37.97,54.16 U2#5.B19 ; 37.97,54.16 v1(37.97,54.8) ; U2#5.B19 38.6,54.8 ; U2#5.B19 39.24,54.16 ; U2#5.B19 38.6,53.53 ; J5#5.8 81.35,89.66 v1(81.33,89.68) v1(82.09,89.68) 82.05,89.72 ; U2#2.B18 99.24,54.16 ; U2#2.B18 99.87,54.8 ; U2#2.B18 U2#2.A18 U2#2.A19 ; 99.24,54.16 v1(99.24,54.8) ; v1(46.85,130.3) 46.85,130.29 J4#5.3 ; U2#6.A19 U2#6.A20 97.33,97.03 ; U2#6.A19 98.6,97.03 ; U2#6.A19 U2#6.A18 U2#6.B18 ; U2#6.B19 98.6,97.03 ; U2#6.B19 98.6,98.3 ; U2#6.B19 99.24,97.66 ; v1(37.97,10.03) 38.6,10.03 ; v1(37.97,10.03) 37.97,10.66 ; v1(37.97,10.03) 37.97,9.39 ; v1(37.97,10.03) 37.33,10.03 ; 38.6,10.03 U2#4.B19 ; 38.6,10.03 U2#4.A19 ; U2#3.C19 98.6,11.29 ; U2#3.C19 99.24,11.93 ; U2#3.C19 97.97,11.93 ; 98.6,11.29 v1(99.24,11.29) ; 98.6,11.29 v1(97.97,11.29) ; v1(39.24,54.8) 39.24,54.16 ; v1(39.24,54.8) 38.6,54.8 ; v1(39.24,54.8) 39.87,54.8 ; v1(39.24,54.8) 39.24,55.43 ; 39.24,54.16 U2#5.B18 ; 99.24,11.93 v1(99.24,11.29) ; 39.24,142.43 U2#7.C18 39.87,141.8 ; 39.24,142.43 U2#7.C19 ; 39.24,142.43 v1(39.24,141.8) ; U2.B18 U2.A18 U2.A19 ; U2.B18 99.87,141.8 ; U2.B18 99.24,141.16 ; 22.05,176.72 v1(22.09,176.68) v1(21.33,176.68) 21.35,176.66 J5#2.8 ; U2#4.B19 39.24,10.66 ; U2#4.B19 38.6,11.29 ; U2#4.B19 37.97,10.66 ; 37.97,55.43 U2#5.C19 ; 37.97,55.43 v1(37.97,54.8) ; U2#5.C19 38.6,54.8 ; U2#5.C19 39.24,55.43 ; U2#8.A19 U2#8.A18 U2#8.B18 ; U2#8.A19 U2#8.A20 37.33,97.03 ; U2#8.A19 38.6,97.03 ; v1(37.97,97.03) 38.6,97.03 ; v1(37.97,97.03) 37.33,97.03 ; v1(37.97,97.03) 37.97,96.39 ; v1(37.97,97.03) 37.97,97.66 ; 82.05,133.22 v1(82.09,133.18) v1(81.33,133.18) 81.35,133.16 J5.8 ; U2.B19 98.6,141.8 ; U2.B19 99.24,141.16 ; U2.B19 98.6,140.53 ; 39.87,98.3 U2#8.B18 ; 39.87,98.3 v1(39.24,98.3) ; 37.97,10.66 v1(37.97,11.29) ; 37.97,10.66 U2#4.B20 ; 97.97,54.16 v1(97.97,53.53) ; 97.97,54.16 U2#2.B20 ; v1(97.97,53.53) 97.33,53.53 ; v1(97.97,53.53) 98.6,53.53 ; v1(97.97,53.53) 97.97,52.89 ; v1(99.24,141.8) 99.24,141.16 ; v1(99.24,141.8) 99.24,142.43 ; v1(99.24,141.8) 98.6,141.8 ; v1(99.24,141.8) 99.87,141.8 ; 38.6,141.8 v1(37.97,141.8) ; 38.6,141.8 U2#7.C19 ; 38.6,141.8 v1(39.24,141.8) ; v1(97.97,140.53) 97.33,140.53 ; v1(97.97,140.53) 98.6,140.53 ; v1(97.97,140.53) 97.97,139.89 ; 97.33,140.53 U2.A20 U2.A19 ; 97.33,140.53 U2.B20 ; 99.24,142.43 U2.C18 99.87,141.8 ; 99.24,142.43 U2.C19 ; v1(37.97,54.8) 38.6,54.8 ; U2#3.B20 97.33,10.03 ; U2#3.B20 97.33,11.29 ; 98.6,53.53 U2#2.A19 ; U2#2.A19 U2#2.A20 97.33,53.53 ; U2.A19 98.6,140.53 ; v1(46.85,86.8) 46.85,86.79 J4#2.3 ; U2#7.C19 37.97,142.43 ; v1(99.24,98.3) 99.87,98.3 ; v1(99.24,98.3) 98.6,98.3 ; v1(99.24,98.3) 99.24,97.66 ; v1(99.24,98.3) 99.24,98.93 ; 99.87,98.3 U2#6.C18 99.24,98.93 ; 99.87,98.3 U2#6.B18 ; 97.33,10.03 U2#3.A20 U2#3.A19 ; U2#7.B18 39.24,141.16 ; U2#7.B18 39.87,141.8 ; 39.24,141.16 v1(39.24,141.8) ; 22.05,46.22 v1(22.09,46.18) v1(21.33,46.18) 21.35,46.16 J5#8.8 ; 97.33,97.03 U2#6.B20 ; v1(37.97,141.8) 37.97,142.43 ; 97.97,142.43 U2.C20 97.33,141.8 ; 97.97,142.43 U2.C19 ; 39.24,10.66 v1(39.24,11.29) ; 37.97,11.93 U2#4.C20 37.33,11.29 ; 37.97,11.93 v1(37.97,11.29) ; 37.97,11.93 U2#4.C19 ; v1(106.85,130.3) 106.85,130.29 J4#3.3 ; U2#5.B18 U2#5.A18 U2#5.A19 ; U2#5.B18 39.87,54.8 ; v1(37.97,11.29) 38.6,11.29 ; v1(37.97,11.29) 37.33,11.29 ; 38.6,11.29 v1(39.24,11.29) ; 38.6,11.29 U2#4.C19 ; 97.97,11.93 U2#3.C20 97.33,11.29 ; 97.97,11.93 v1(97.97,11.29) ; U2.C19 98.6,141.8 ; v1(39.24,11.29) 39.24,11.93 ; J4#8.3 106.85,173.79 v1(106.85,173.8) ; J4.3 106.85,86.79 v1(106.85,86.8) ; 97.33,53.53 U2#2.B20 ; U2#5.A19 38.6,53.53 ; v1(46.85,173.8) 46.85,173.79 J4#4.3 ; 39.24,11.93 U2#4.C19 ; 99.87,54.8 v1(99.24,54.8) ; U2#6.B20 97.33,98.3 ; 97.33,98.3 v1(97.97,98.3) ; 98.6,98.3 v1(97.97,98.3) ; U2#6.B18 99.24,97.66 ; U2#4.A19 U2#4.A20 37.33,10.03 ; v1(97.97,11.29) 97.33,11.29 ; 97.33,141.8 U2.B20 ; J4#6.3 46.85,43.29 v1(46.85,43.3) ; v1(39.24,141.8) 39.87,141.8 ; 98.6,10.03 U2#3.A19 ; 22.05,89.72 v1(22.09,89.68) v1(21.33,89.68) 21.35,89.66 J5#6.8 ; 39.87,54.8 U2#5.C18 39.24,55.43 ; 37.33,10.03 U2#4.B20 ; U2#4.B20 37.33,11.29 ; J5#7.8 81.35,46.16 v1(81.33,46.18) v1(82.09,46.18) 82.05,46.22 ; J5#4.8 81.35,176.66 v1(81.33,176.68) v1(82.09,176.68) 82.05,176.72
  In2.Cu w0.406: 42.16,62.03 39.24,62.03 39.19,61.99 39.19,61.98 36.7,59.49 28.44,59.49 28.44,59.49 24.63,59.49 v1(23.61,60.51) v1(21.33,60.51) 11.93,60.51 9.39,63.05 TP7#5.1 ; 42.16,62.03 42.16,61.53 42.16,57.71 41.66,57.21 41.65,57.21 v1(39.24,54.8) v1(37.97,54.8) v1(37.97,53.53) ; 42.16,62.03 60.57,62.03 61.97,63.43 61.97,85.66 58.03,89.59 v1(53.08,89.59) 52.44,90.23 v1(46.85,90.23) 39.62,90.23 39.36,89.97 37.2,89.97 36.89,90.29 28.63,90.29 28.19,89.85 26.28,89.85 26.03,90.1 22.51,90.1 v1(22.09,89.68) v1(21.33,89.68) ; TP7#7.1 9.39,106.55 11.93,104.01 v1(21.33,104.01) v1(23.61,104.01) 24.63,102.99 28.44,102.99 28.44,102.99 36.7,102.99 39.19,105.48 39.19,105.49 39.24,105.53 42.16,105.53 ; v1(105.84,46.73) 105.84,44.31 v1(106.85,43.3) ; v1(105.84,177.23) 105.84,174.81 v1(106.85,173.8) ; 42.16,18.53 60.57,18.53 61.97,19.93 61.97,42.16 58.03,46.09 v1(53.08,46.09) 52.44,46.73 v1(46.85,46.73) 39.62,46.73 39.36,46.47 37.2,46.47 36.89,46.79 28.63,46.79 28.19,46.35 26.28,46.35 26.03,46.6 22.51,46.6 v1(22.09,46.18) v1(21.33,46.18) ; 42.16,18.53 42.16,18.03 42.16,14.21 41.66,13.71 41.65,13.71 v1(39.24,11.29) v1(37.97,11.29) v1(37.97,10.03) ; 42.16,18.53 39.24,18.53 39.19,18.49 39.19,18.48 36.7,15.99 28.44,15.99 28.44,15.99 24.63,15.99 v1(23.61,17.01) v1(21.33,17.01) 11.93,17.01 9.39,19.55 TP7#6.1 ; TP7#4.1 69.39,106.55 71.93,104.01 v1(81.33,104.01) v1(83.61,104.01) 84.63,102.99 88.44,102.99 88.44,102.99 96.7,102.99 99.19,105.48 99.19,105.49 99.24,105.53 102.16,105.53 ; v1(45.84,133.73) 45.84,131.31 v1(46.85,130.3) ; TP7#3.1 9.39,150.05 11.93,147.51 v1(21.33,147.51) v1(23.61,147.51) 24.63,146.49 28.44,146.49 28.44,146.49 36.7,146.49 39.19,148.98 39.19,148.99 39.24,149.03 42.16,149.03 ; v1(46.85,43.3) 45.84,44.31 v1(45.84,46.73) ; v1(21.33,133.18) v1(22.09,133.18) 22.51,133.6 26.03,133.6 26.28,133.35 28.19,133.35 28.63,133.79 36.89,133.79 37.2,133.47 39.36,133.47 39.62,133.73 v1(46.85,133.73) 52.44,133.73 v1(53.08,133.09) 58.03,133.09 61.97,129.16 61.97,106.93 60.57,105.53 42.16,105.53 ; v1(97.97,10.03) v1(97.97,11.29) v1(99.24,11.29) 101.65,13.71 101.66,13.71 102.16,14.21 102.16,18.03 102.16,18.53 ; 102.16,18.53 99.24,18.53 99.19,18.49 99.19,18.48 96.7,15.99 88.44,15.99 88.44,15.99 84.63,15.99 v1(83.61,17.01) v1(81.33,17.01) 71.93,17.01 69.39,19.55 TP7#2.1 ; 102.16,18.53 120.57,18.53 121.97,19.93 121.97,42.16 118.03,46.09 v1(113.08,46.09) 112.44,46.73 v1(106.85,46.73) 99.62,46.73 99.36,46.47 97.2,46.47 96.89,46.79 88.63,46.79 88.19,46.35 86.28,46.35 86.03,46.6 82.51,46.6 v1(82.09,46.18) v1(81.33,46.18) ; 102.16,105.53 102.16,105.03 102.16,101.21 101.66,100.71 101.65,100.71 v1(99.24,98.3) v1(97.97,98.3) v1(97.97,97.03) ; 102.16,105.53 120.57,105.53 121.97,106.93 121.97,129.16 118.03,133.09 v1(113.08,133.09) 112.44,133.73 v1(106.85,133.73) 99.62,133.73 99.36,133.47 97.2,133.47 96.89,133.79 88.63,133.79 88.19,133.35 86.28,133.35 86.03,133.6 82.51,133.6 v1(82.09,133.18) v1(81.33,133.18) ; TP7#8.1 69.39,63.05 71.93,60.51 v1(81.33,60.51) v1(83.61,60.51) 84.63,59.49 88.44,59.49 88.44,59.49 96.7,59.49 99.19,61.98 99.19,61.99 99.24,62.03 102.16,62.03 ; v1(105.84,133.73) 105.84,131.31 v1(106.85,130.3) ; 102.16,149.03 102.16,148.53 102.16,144.71 101.66,144.21 101.65,144.21 v1(99.24,141.8) v1(97.97,141.8) v1(97.97,140.53) ; 102.16,149.03 120.57,149.03 121.97,150.43 121.97,172.66 118.03,176.59 v1(113.08,176.59) 112.44,177.23 v1(106.85,177.23) 99.62,177.23 99.36,176.97 97.2,176.97 96.89,177.29 88.63,177.29 88.19,176.85 86.28,176.85 86.03,177.1 82.51,177.1 v1(82.09,176.68) v1(81.33,176.68) ; 102.16,149.03 99.24,149.03 99.19,148.99 99.19,148.98 96.7,146.49 88.44,146.49 88.44,146.49 84.63,146.49 v1(83.61,147.51) v1(81.33,147.51) 71.93,147.51 69.39,150.05 TP7.1 ; 42.16,105.53 42.16,105.03 42.16,101.21 41.66,100.71 41.65,100.71 v1(39.24,98.3) v1(37.97,98.3) v1(37.97,97.03) ; v1(81.33,89.68) v1(82.09,89.68) 82.51,90.1 86.03,90.1 86.28,89.85 88.19,89.85 88.63,90.29 96.89,90.29 97.2,89.97 99.36,89.97 99.62,90.23 v1(106.85,90.23) 112.44,90.23 v1(113.08,89.59) 118.03,89.59 121.97,85.66 121.97,63.43 120.57,62.03 102.16,62.03 ; 102.16,62.03 102.16,61.53 102.16,57.71 101.66,57.21 101.65,57.21 v1(99.24,54.8) v1(97.97,54.8) v1(97.97,53.53) ; 42.16,149.03 42.16,148.53 42.16,144.71 41.66,144.21 41.65,144.21 v1(39.24,141.8) v1(37.97,141.8) v1(37.97,140.53) ; 42.16,149.03 60.57,149.03 61.97,150.43 61.97,172.66 58.03,176.59 v1(53.08,176.59) 52.44,177.23 v1(46.85,177.23) 39.62,177.23 39.36,176.97 37.2,176.97 36.89,177.29 28.63,177.29 28.19,176.85 26.28,176.85 26.03,177.1 22.51,177.1 v1(22.09,176.68) v1(21.33,176.68) ; v1(45.84,177.23) 45.84,174.81 v1(46.85,173.8) ; v1(45.84,90.23) 45.84,87.81 v1(46.85,86.8) ; v1(105.84,90.23) 105.84,87.81 v1(106.85,86.8)
  Bottom w0.178: v1(105.59,52.13) R11#3.1 ; v1(45.59,139.13) R11.1 ; R28#8.1 R37#6.1 R38#5.1 107.24,125.72 106.85,126.11 106.85,127.89 107.11,128.14 107.74,128.14 107.9,128.3 C26#3.1 ; C26#2.1 47.9,41.3 47.74,41.14 47.11,41.14 46.85,40.89 46.85,39.11 47.24,38.72 R38#7.1 R37#5.1 R28#4.1 ; v1(45.59,52.13) R11#5.1 ; v1(45.59,8.63) R11#4.1 ; R28#6.1 R37.1 R38#3.1 47.24,169.22 46.85,169.61 46.85,171.39 47.11,171.64 47.74,171.64 47.9,171.79 C26#8.1 ; C26#7.1 47.9,84.8 47.74,84.64 47.11,84.64 46.85,84.39 46.85,82.61 47.24,82.22 R38#4.1 R37#7.1 R28#7.1 ; C26#6.1 107.9,41.3 107.74,41.14 107.11,41.14 106.85,40.89 106.85,39.11 107.24,38.72 R38#6.1 R37#8.1 R28#5.1 ; v1(105.59,139.13) R11#7.1 ; C26#5.1 107.9,84.8 107.74,84.64 107.11,84.64 106.85,84.39 106.85,82.61 107.24,82.22 R38#2.1 R37#2.1 R28#3.1 ; v1(45.59,95.63) R11#6.1 ; C26.1 47.9,128.3 47.74,128.14 47.11,128.14 46.85,127.89 46.85,126.11 47.24,125.72 R38#8.1 R37#4.1 R28.1 ; R28#2.1 R37#3.1 R38.1 107.24,169.22 106.85,169.61 106.85,171.39 107.11,171.64 107.74,171.64 107.9,171.79 C26#4.1 ; v1(105.59,8.63) R11#8.1 ; v1(105.59,95.63) R11#2.1
  Bottom w0.305: U7#5.1 37.84,59.11 37.3,58.58 C21#3.1 ; C21#2.1 97.3,15.08 97.84,15.61 U7#8.1 ; C21#5.1 37.3,102.08 37.84,102.61 U7#3.1 ; C21.1 37.3,145.58 37.84,146.11 U7#4.1 ; U7#2.1 97.84,146.11 97.3,145.58 C21#4.1 ; U7.1 97.84,102.61 97.3,102.08 C21#6.1 ; U7#7.1 97.84,59.11 97.3,58.58 C21#7.1 ; U7#6.1 37.84,15.61 37.3,15.08 C21#8.1
  Bottom w0.406: 37.94,139.86 C28#4.1 39.19,139.86 39.87,140.54 39.24,141.17 v1(39.24,141.8) v1(37.97,141.8) ; 37.94,139.86 C27#2.1 ; 37.94,139.86 37.97,139.89 v1(37.97,140.53) v1(37.97,141.8) ; v1(97.97,141.8) v1(97.97,140.53) 97.97,139.89 97.94,139.86 ; v1(97.97,141.8) v1(99.24,141.8) 99.24,141.17 99.87,140.54 99.19,139.86 C28#6.1 97.94,139.86 ; v1(97.97,141.8) 97.3,142.46 C21#4.1 ; C26#7.1 47.11,85.53 46.85,85.78 v1(46.85,86.8) 45.97,87.69 U13#8.16 45.97,90.1 v1(45.84,90.23) 45.84,90.23 v1(46.85,90.23) ; v1(97.97,54.8) v1(97.97,53.53) 97.97,52.89 97.94,52.86 ; v1(97.97,54.8) 97.3,55.46 C21#7.1 ; v1(97.97,54.8) v1(99.24,54.8) 99.24,54.17 99.87,53.54 99.19,52.86 C28#2.1 97.94,52.86 ; 37.94,9.36 C28.1 39.19,9.36 39.87,10.04 39.24,10.67 v1(39.24,11.29) v1(37.97,11.29) ; 37.94,9.36 37.97,9.39 v1(37.97,10.03) v1(37.97,11.29) ; 37.94,9.36 C27.1 ; C21#2.1 97.3,11.96 v1(97.97,11.29) ; v1(97.97,98.3) v1(99.24,98.3) 99.24,97.67 99.87,97.04 99.19,96.36 C28#3.1 97.94,96.36 ; v1(97.97,98.3) 97.3,98.96 C21#6.1 ; v1(97.97,98.3) v1(97.97,97.03) 97.97,96.39 97.94,96.36 ; R13#3.1 113.08,175.45 v1(113.08,176.59) ; C21.1 37.3,142.46 v1(37.97,141.8) ; v1(106.85,133.73) 105.84,133.73 v1(105.84,133.73) 105.97,133.6 U13.16 105.97,131.19 v1(106.85,130.3) 106.85,129.28 107.11,129.03 C26#3.1 ; v1(46.85,133.73) 45.84,133.73 v1(45.84,133.73) 45.97,133.6 U13#7.16 45.97,131.19 v1(46.85,130.3) 46.85,129.28 47.11,129.03 C26.1 ; v1(113.08,46.09) 113.08,44.95 R13#8.1 ; v1(106.85,46.73) 105.84,46.73 v1(105.84,46.73) 105.97,46.6 U13#3.16 105.97,44.19 v1(106.85,43.3) 106.85,42.28 107.11,42.03 C26#6.1 ; v1(37.97,54.8) v1(37.97,53.53) 37.97,52.89 37.94,52.86 ; v1(37.97,54.8) 37.3,55.46 C21#3.1 ; v1(37.97,54.8) v1(39.24,54.8) 39.24,54.17 39.87,53.54 39.19,52.86 C28#8.1 37.94,52.86 ; R13#4.1 53.08,175.45 v1(53.08,176.59) ; v1(106.85,177.23) 105.84,177.23 v1(105.84,177.23) 105.97,177.1 U13#5.16 105.97,174.69 v1(106.85,173.8) 106.85,172.78 107.11,172.53 C26#4.1 ; v1(37.97,98.3) v1(37.97,97.03) 37.97,96.39 37.94,96.36 ; v1(37.97,98.3) 37.3,98.96 C21#5.1 ; v1(37.97,98.3) v1(39.24,98.3) 39.24,97.67 39.87,97.04 39.19,96.36 C28#7.1 37.94,96.36 ; v1(37.97,11.29) 37.3,11.96 C21#8.1 ; v1(53.08,89.59) 53.08,88.45 R13#6.1 ; R13#5.1 53.08,131.95 v1(53.08,133.09) ; 97.94,52.86 C27#8.1 ; 37.94,96.36 C27#3.1 ; 37.94,52.86 C27#5.1 ; v1(97.97,11.29) v1(97.97,10.03) 97.97,9.39 97.94,9.36 ; v1(97.97,11.29) v1(99.24,11.29) 99.24,10.67 99.87,10.04 99.19,9.36 C28#5.1 97.94,9.36 ; 97.94,96.36 C27#7.1 ; R13#2.1 53.08,44.95 v1(53.08,46.09) ; 97.94,139.86 C27#6.1 ; R13.1 113.08,131.95 v1(113.08,133.09) ; v1(113.08,89.59) 113.08,88.45 R13#7.1 ; C26#2.1 47.11,42.03 46.85,42.28 v1(46.85,43.3) 45.97,44.19 U13#4.16 45.97,46.6 v1(45.84,46.73) 45.84,46.73 v1(46.85,46.73) ; 97.94,9.36 C27#4.1 ; C26#5.1 107.11,85.53 106.85,85.78 v1(106.85,86.8) 105.97,87.69 U13#6.16 105.97,90.1 v1(105.84,90.23) 105.84,90.23 v1(106.85,90.23) ; C26#8.1 47.11,172.53 46.85,172.78 v1(46.85,173.8) 45.97,174.69 U13#2.16 45.97,177.1 v1(45.84,177.23) 45.84,177.23 v1(46.85,177.23)